# KiCad board K9HZ_100W_11band_LPF-Control.kicad_pcb
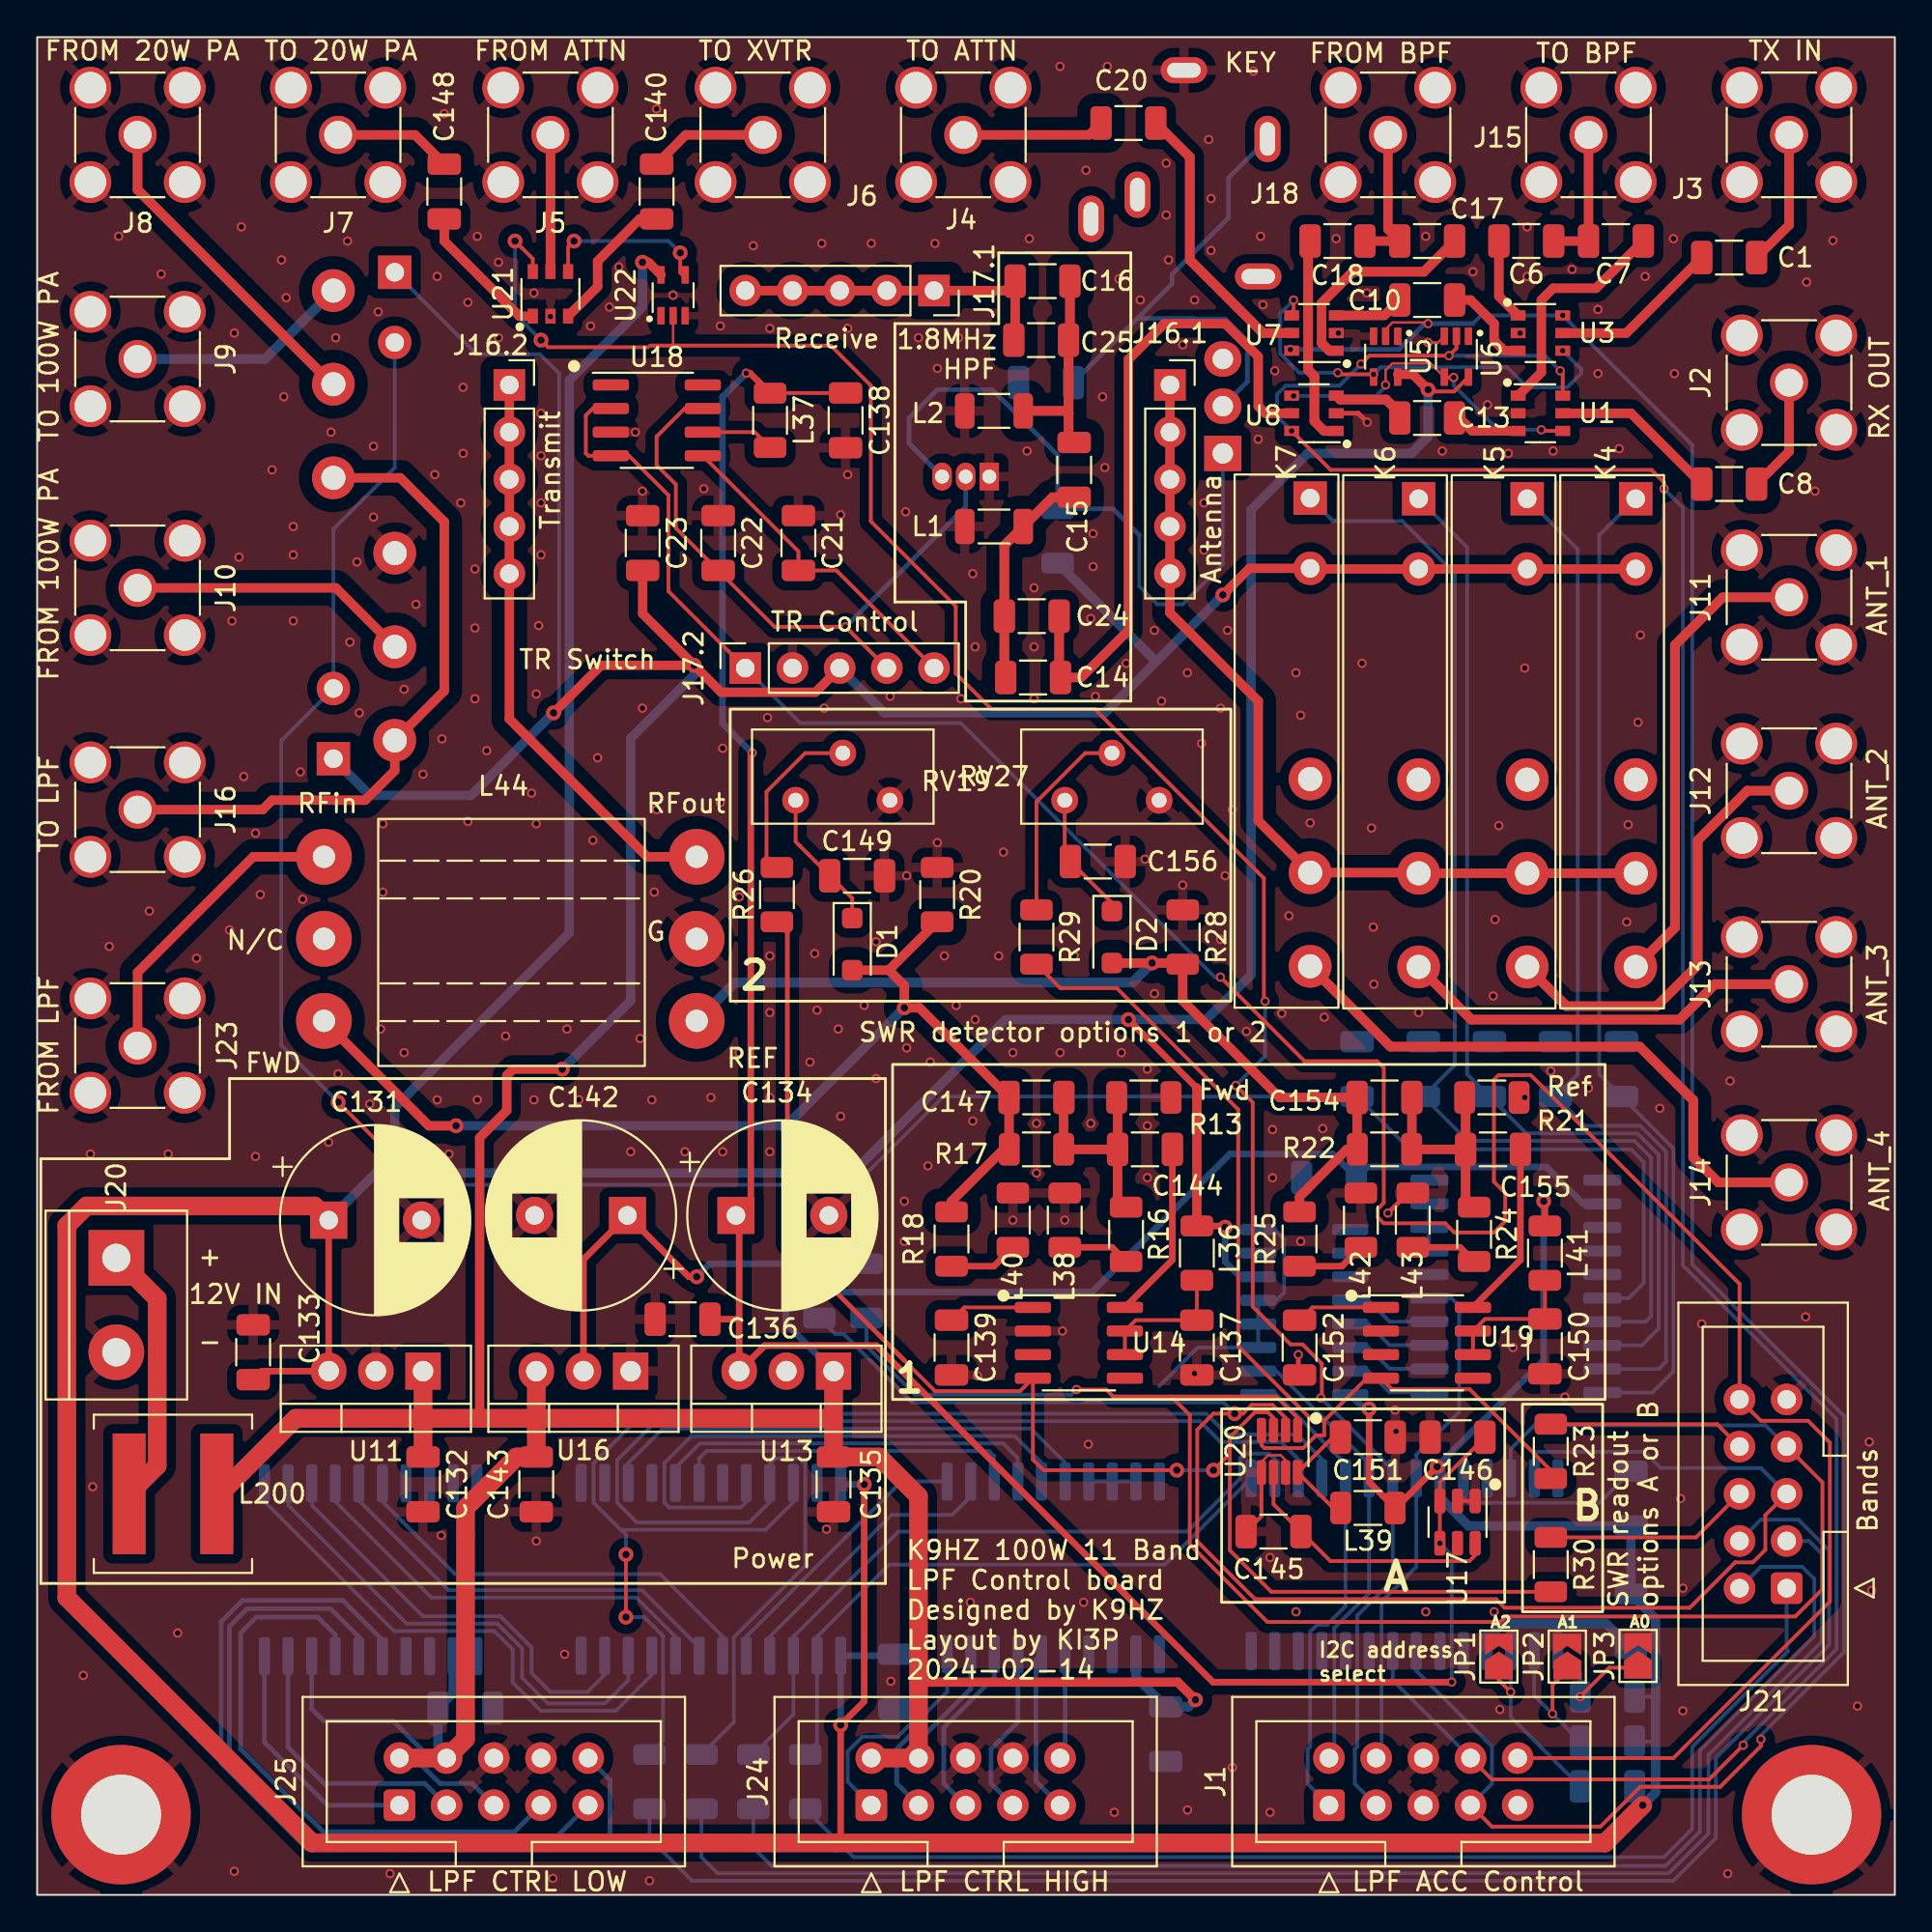
[diagram p0: board, top side]
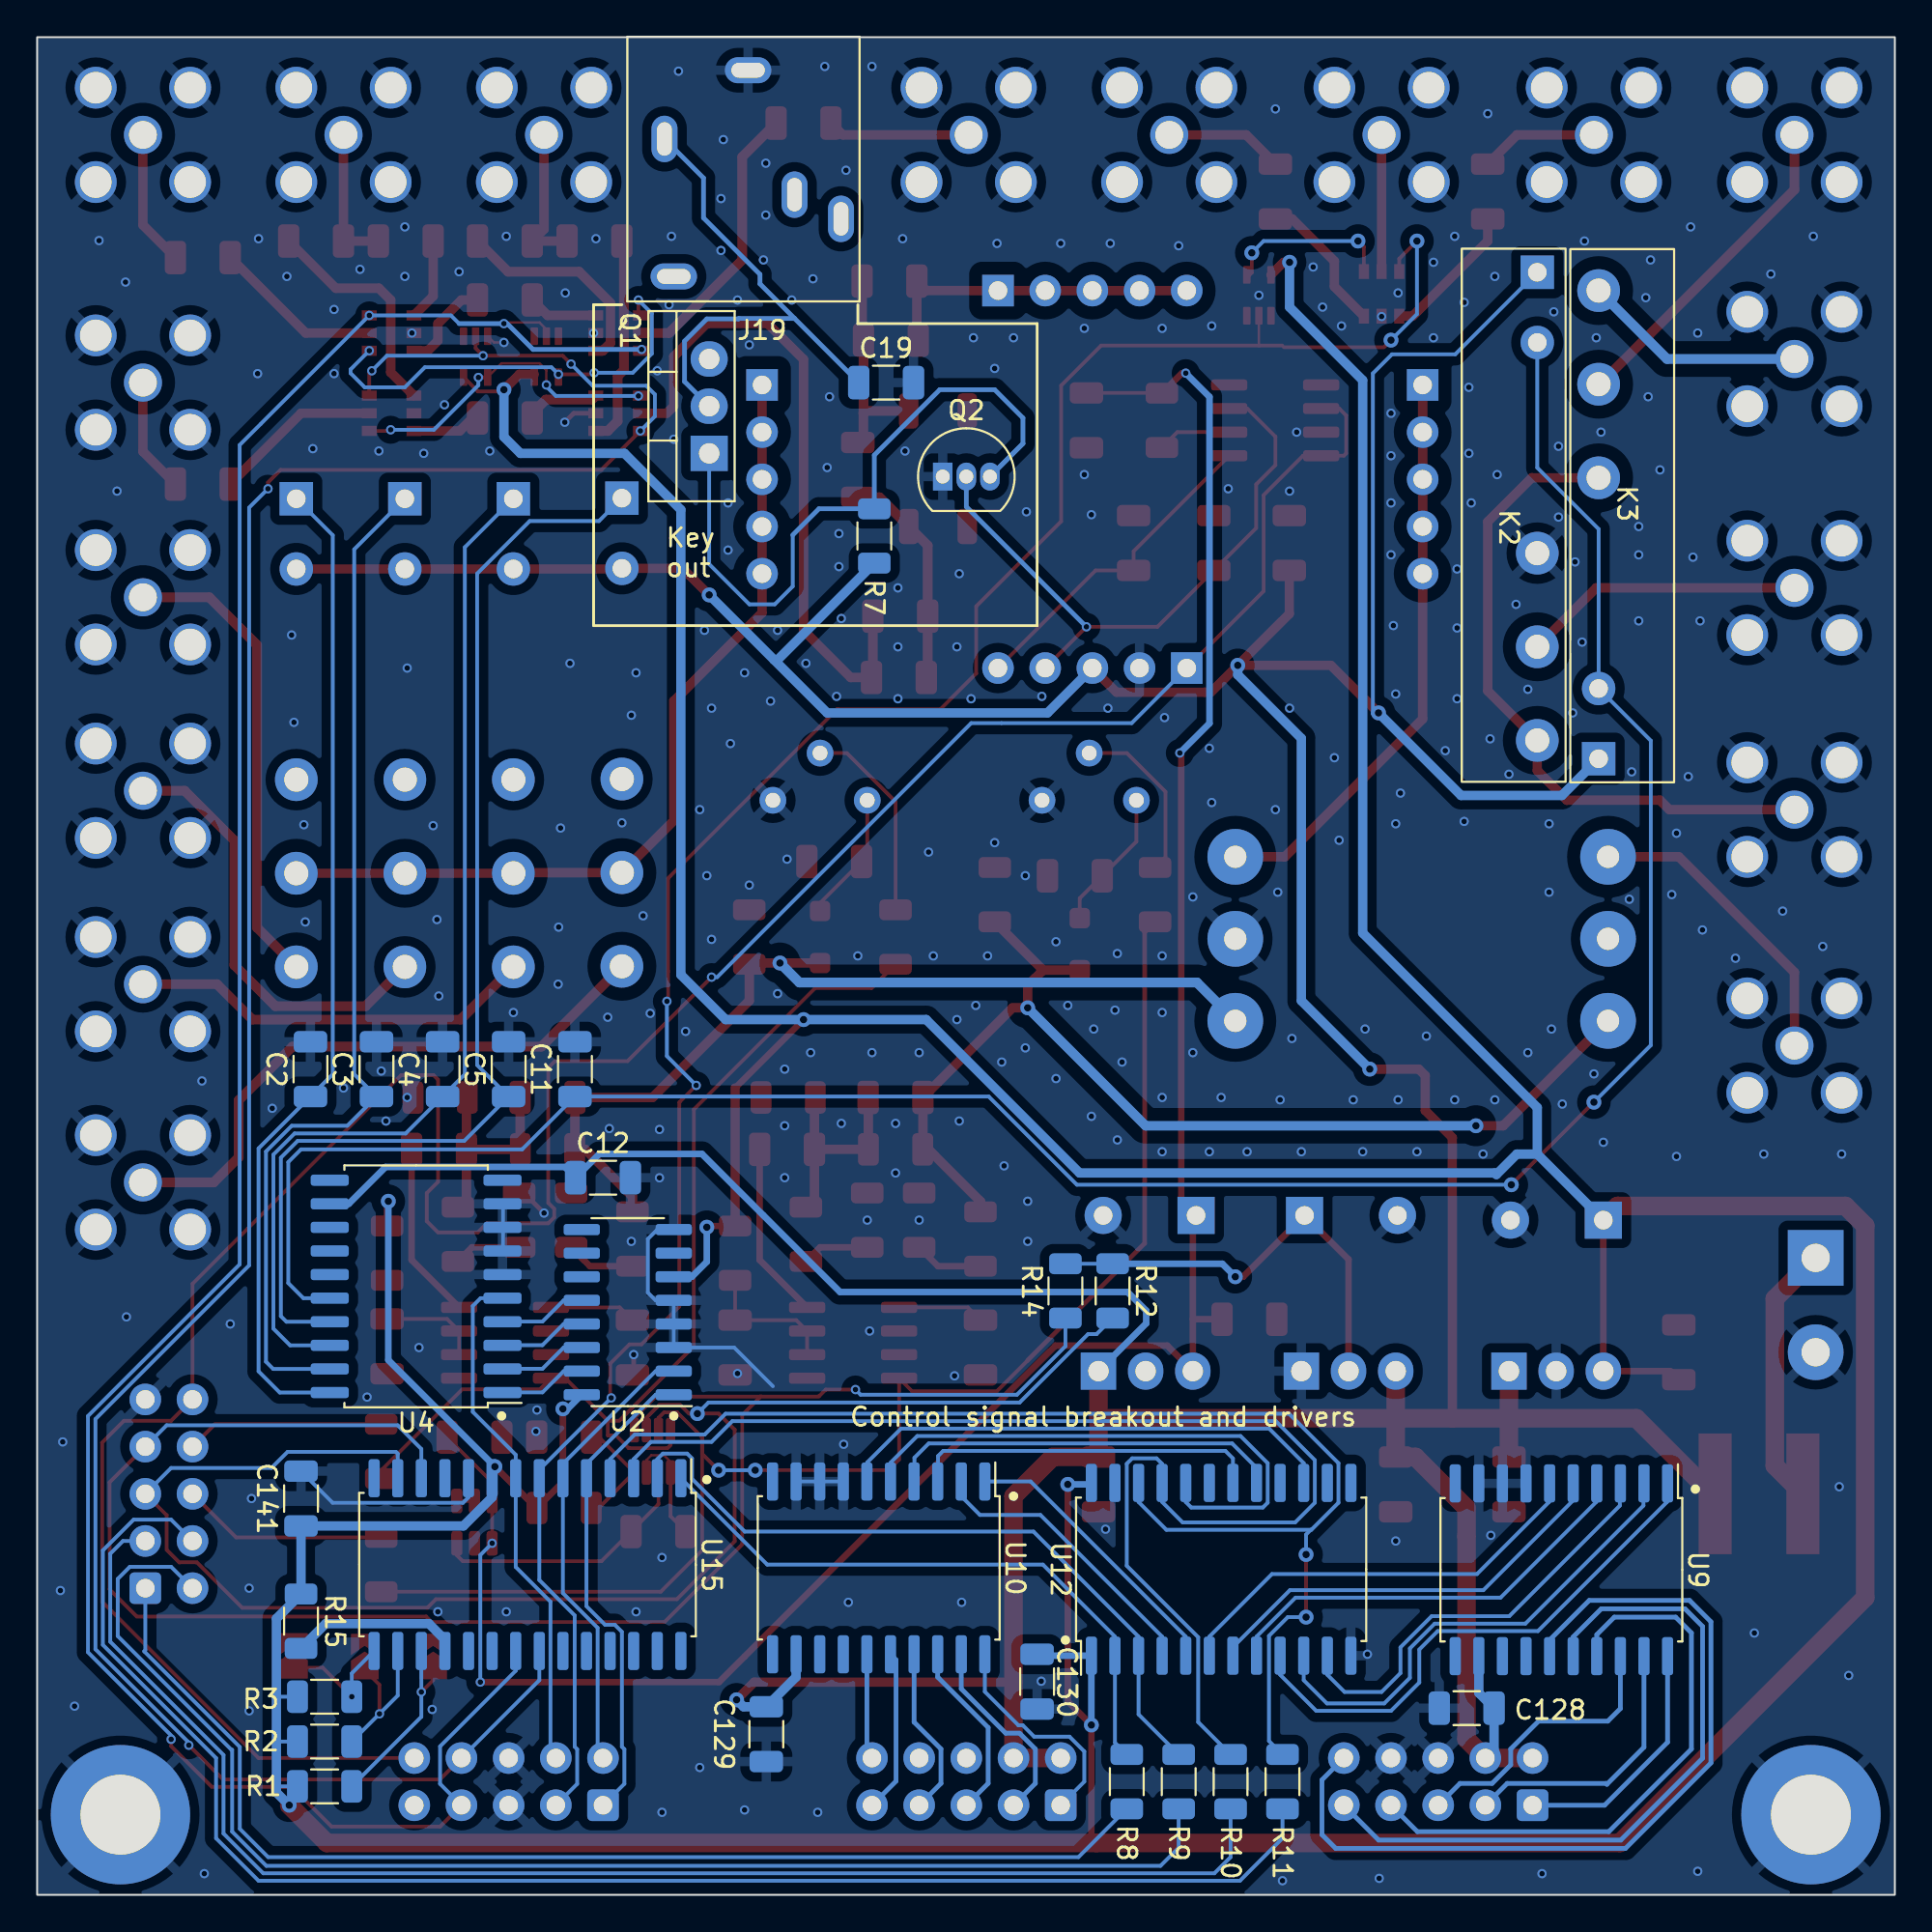
[diagram p1: board, bottom side, seen from below]

Outline 100 x 100 mm; copper layers: Top, In1.Cu, In2.Cu, Bottom. Coordinates in mm from the lower left corner of the outline.
Outline path: rectangle 0,100 100,0
Stack: Top 0.035mm / dielectric 0.2104mm FR4 er 4.5 / In1.Cu 0.035mm / dielectric 1.065mm FR4 er 4.5 / In2.Cu 0.035mm / dielectric 0.2104mm FR4 er 4.5 / Bottom 0.035mm

## Placement (name value [footprint] x y rotation side)
C1  0.1uF 50V  [C_1206_3216Metric]  91.08 88.14 0 top
C2  0.1uF 50V  [C_1206_3216Metric]  85.29 44.45 90 bottom
C3  0.1uF 50V  [C_1206_3216Metric]  81.73 44.45 90 bottom
C4  0.1uF 50V  [C_1206_3216Metric]  78.18 44.45 90 bottom
C5  0.1uF 50V  [C_1206_3216Metric]  74.62 44.45 90 bottom
C6  0.1uF 50V  [C_1206_3216Metric]  80.16 89.03 0 top
C7  0.1uF 50V  [C_1206_3216Metric]  84.99 89.03 0 top
C8  0.1uF 50V  [C_1206_3216Metric]  91.08 75.94 0 top
C10  0.1uF 50V  [C_1206_3216Metric]  74.82 85.85 0 top
C11  0.1uF 50V  [C_1206_3216Metric]  71.05 44.45 90 bottom
C12  0.1uF 50V  [C_1206_3216Metric]  69.54 38.61 180 bottom
C13  0.1uF 50V  [C_1206_3216Metric]  74.82 79.5 180 top
C14  1800pF 50V  [C_1206_3216Metric]  53.61 65.53 180 top
C15  1000pF 50V  [C_1206_3216Metric]  55.82 76.71 90 top
C16  1800pF 50V  [C_1206_3216Metric]  54.12 86.87 180 top
C17  0.1uF 50V  [C_1206_3216Metric]  74.82 89.03 180 top
C18  0.1uF 50V  [C_1206_3216Metric]  70 89.03 180 top
C19  15nF 50V  [C_1206_3216Metric]  54.3 81.41 180 bottom
C20  0.1uF 50V  [C_1206_3216Metric]  58.75 95.38 0 top
C21  0.1uF 50V  [C_1206_3216Metric]  40.98 72.77 270 top
C22  0.1uF 50V  [C_1206_3216Metric]  36.66 72.77 270 top
C23  0.1uF 50V  [C_1206_3216Metric]  32.59 72.77 270 top
C24  100pF 50V  [C_1206_3216Metric]  53.54 68.83 180 top
C25  100pF 50V  [C_1206_3216Metric]  54.05 83.69 180 top
C128  0.1uF 50V  [C_1206_3216Metric]  23.05 10.05 0 bottom
C129  0.1uF 50V  [C_1206_3216Metric]  60.75 8.65 270 bottom
C130  0.1uF 50V  [C_1206_3216Metric]  46.17 11.48 270 bottom
C131  220uF 16V  [CP_Radial_D10.0mm_P5.00mm]  15.69 36.32 0 top
C132  1uF 50V  [C_1206_3216Metric]  20.77 22.1 270 top
C133  1uF 50V  [C_1206_3216Metric]  11.63 29.21 90 top
C134  220uF 16V  [CP_Radial_D10.0mm_P5.00mm]  37.62 36.57 0 top
C135  1uF 50V  [C_1206_3216Metric]  42.87 22.1 270 top
C136  1uF 50V  [C_1206_3216Metric]  34.74 30.99 180 top
C137  0.1uF 50V  [C_1206_3216Metric]  62.43 29.46 270 top
C138  0.1uF 50V  [C_1206_3216Metric]  43.52 79.37 270 top
C139  0.1uF 50V  [C_1206_3216Metric]  49.22 29.46 270 top
C140  0.1uF 50V  [C_1206_3216Metric]  33.34 91.69 90 top
C141  0.1uF 50V  [C_1206_3216Metric]  85.8 21.33 90 bottom
C142  100uF 6V  [CP_Radial_D10.0mm_P5.00mm]  31.78 36.57 180 top
C143  10uF 50V  [C_1206_3216Metric]  26.87 22.1 270 top
C144  10nF 50V  [C_1206_3216Metric]  59.63 40.13 180 top
C145  10uF 50V  [C_1206_3216Metric]  66.55 19.56 180 top
C146  1uF 50V  [C_1206_3216Metric]  76.46 24.64 0 top
C147  10pF 50V  [C_1206_3216Metric]  53.79 42.92 180 top
C148  0.1uF 50V  [C_1206_3216Metric]  21.92 91.69 270 top
C149  10nF 50V  [C_1206_3216Metric]  44.14 54.86 0 top
C150  0.1uF 50V  [C_1206_3216Metric]  81.16 29.52 270 top
C151  0.1uF 50V  [C_1206_3216Metric]  71.63 24.64 0 top
C152  0.1uF 50V  [C_1206_3216Metric]  67.95 29.46 270 top
C154  10pF 50V  [C_1206_3216Metric]  72.53 42.92 180 top
C155  10nF 50V  [C_1206_3216Metric]  78.37 40.13 180 top
C156  10nF 50V  [C_1206_3216Metric]  57.09 55.62 0 top
D1  BAS70H,115  [D_SOD-123F]  43.88 51.18 270 top
D2  BAS70H,115  [D_SOD-123F]  57.86 51.56 270 top
H1  ~  [MountingHole_4.3mm_M4_DIN965_Pad]  95.52 4.32 0 top
H2  ~  [MountingHole_4.3mm_M4_DIN965_Pad]  4.52 4.32 0 top
J1  LPF ACC Control  [IDC-Header_2x05_P2.54mm_Vertical]  69.54 4.82 90 top
J2  TO_RECEIVER  [SMA_Amphenol_901-144_Vertical]  94.31 81.41 90 top
J3  FROM TX  [SMA_Amphenol_901-144_Vertical]  94.31 94.74 180 top
J4  TO ATTN  [SMA_Amphenol_901-144_Vertical]  49.86 94.74 180 top
J5  FROM ATTN  [SMA_Amphenol_901-144_Vertical]  27.63 94.74 180 top
J6  TO XVTR  [SMA_Amphenol_901-144_Vertical]  39.06 94.74 180 top
J7  TO 20W PA  [SMA_Amphenol_901-144_Vertical]  16.2 94.74 180 top
J8  FROM 20W PA  [SMA_Amphenol_901-144_Vertical]  5.41 94.74 180 top
J9  TO 100W PA  [SMA_Amphenol_901-144_Vertical]  5.41 82.67 270 top
J10  FROM 100W PA  [SMA_Amphenol_901-144_Vertical]  5.41 70.36 270 top
J11  ANT-1  [SMA_Amphenol_901-144_Vertical]  94.31 69.85 90 top
J12  ANT-2  [SMA_Amphenol_901-144_Vertical]  94.31 59.43 90 top
J13  ANT-3  [SMA_Amphenol_901-144_Vertical]  94.31 49.02 90 top
J14  ANT-4  [SMA_Amphenol_901-144_Vertical]  94.31 38.35 90 top
J15  TO BPF  [SMA_Amphenol_901-144_Vertical]  83.51 94.74 180 top
J16  TO LPF  [SMA_Amphenol_901-144_Vertical]  5.41 58.42 270 top
J16.1  ANTENNA  [PinSocket_1x05_P2.54mm_Vertical]  60.98 81.28 0 top
J16.2  TRANSMIT  [PinSocket_1x05_P2.54mm_Vertical]  25.42 81.28 0 top
J17.1  RECEIVE  [PinSocket_1x05_P2.54mm_Vertical]  48.28 86.36 270 top
J17.2  TR CTL  [PinSocket_1x05_P2.54mm_Vertical]  38.12 66.04 90 top
J18  FROM BPF  [SMA_Amphenol_901-144_Vertical]  72.72 94.74 180 top
J19  KEY OUT  [Jack_3.5mm_STX-3081_Horizontal]  61.73 98.22 0 bottom
J20  12-13.8V  [TerminalBlock_bornier-2_P5.08mm]  4.26 34.29 270 top
J21  Bands  [IDC-Header_2x05_P2.54mm_Vertical]  94.18 16.51 180 top
J23  FROM LPF  [SMA_Amphenol_901-144_Vertical]  5.41 45.72 270 top
J24  LPF CTRL HI  [IDC-Header_2x05_P2.54mm_Vertical]  44.9 4.82 90 top
J25  LPF CTRL LOW  [IDC-Header_2x05_P2.54mm_Vertical]  19.5 4.82 90 top
JP1  SolderJumper_2_Open  [SolderJumper-2_P1.3mm_Open_TrianglePad1.0x1.5mm]  78.68 12.82 90 top
JP2  SolderJumper_2_Open  [SolderJumper-2_P1.3mm_Open_TrianglePad1.0x1.5mm]  82.37 12.82 90 top
JP3  SolderJumper_2_Open  [SolderJumper-2_P1.3mm_Open_TrianglePad1.0x1.5mm]  86.18 12.86 90 top
K2  HF41F/12-ZS  [Relay_SPDT_HF41F12-ZS]  15.95 61.16 90 bottom
K3  HF41F/12-ZS  [Relay_SPDT_HF41F12-ZS]  19.25 87.34 270 bottom
K4  HF41F/12-ZS  [Relay_SPDT_HF41F12-ZS]  86.05 75.15 270 top
K5  HF41F/12-ZS  [Relay_SPDT_HF41F12-ZS]  80.21 75.15 270 top
K6  HF41F/12-ZS  [Relay_SPDT_HF41F12-ZS]  74.37 75.15 270 top
K7  HF41F/12-ZS  [Relay_SPDT_HF41F12-ZS]  68.52 75.19 270 top
L1  3.3uH  [L_1206_3216Metric]  51.51 73.66 180 top
L2  3.3uH  [L_1206_3216Metric]  51.51 79.88 180 top
L36  FB  [R_1206_3216Metric]  62.43 34.54 90 top
L37  FB  [R_1206_3216Metric]  39.45 79.37 270 top
L38  22nH  [R_1206_3216Metric]  55.32 36.32 90 top
L39  FB  [R_1206_3216Metric]  71.63 20.83 0 top
L40  22nH  [R_1206_3216Metric]  52.52 36.32 90 top
L41  FB  [R_1206_3216Metric]  81.16 34.54 90 top
L42  22nH  [R_1206_3216Metric]  71.26 36.32 90 top
L43  22nH  [R_1206_3216Metric]  74.05 36.32 90 top
L44  6_pin_transformer  [Toroid_6Pin_BinocularCore_13.3mm_14.35mm]  15.44 53.13 0 top
L200  10uH 20%  [L_Coilcraft_XAL7020-102]  7.31 21.59 0 top
Q1  IRF630  [TO-220-3_Vertical]  63.83 77.59 90 bottom
Q2  2N7000  [TO-92_Inline]  51.25 76.35 180 bottom
R1  2k2  [R_1206_3216Metric]  84.53 5.84 0 bottom
R2  2k2  [R_1206_3216Metric]  84.53 8.25 0 bottom
R3  2k2  [R_1206_3216Metric]  84.53 10.67 0 bottom
R7  10k  [R_1206_3216Metric]  54.94 73.15 90 bottom
R8  0  [R_1206_3216Metric]  41.35 6.09 270 bottom
R9  0  [R_1206_3216Metric]  38.55 6.09 270 bottom
R10  0  [R_1206_3216Metric]  35.76 6.09 270 bottom
R11  0  [R_1206_3216Metric]  32.96 6.09 270 bottom
R12  2k2  [R_1206_3216Metric]  42.11 32.51 90 bottom
R13  52R3  [R_1206_3216Metric]  59.57 42.92 180 top
R14  2k2  [R_1206_3216Metric]  44.65 32.51 90 bottom
R15  2k2  [R_1206_3216Metric]  85.8 14.73 270 bottom
R16  ~  [R_1206_3216Metric]  58.62 35.56 90 top
R17  ~  [R_1206_3216Metric]  53.79 40.13 0 top
R18  ~  [R_1206_3216Metric]  49.22 35.3 90 top
R20  52R3  [R_1206_3216Metric]  48.45 53.84 270 top
R21  52R3  [R_1206_3216Metric]  78.31 42.92 180 top
R22  ~  [R_1206_3216Metric]  72.53 40.13 0 top
R23  0  [R_1206_3216Metric]  81.48 23.87 270 top
R24  ~  [R_1206_3216Metric]  77.35 35.56 90 top
R25  ~  [R_1206_3216Metric]  67.95 35.3 90 top
R26  10k  [R_1206_3216Metric]  39.82 53.84 90 top
R28  52R3  [R_1206_3216Metric]  61.67 51.56 270 top
R29  10k  [R_1206_3216Metric]  53.79 51.56 270 top
R30  0  [R_1206_3216Metric]  81.48 17.78 270 top
RV19  22k  [Potentiometer_Bourns_3296Y_Vertical]  40.83 58.92 180 top
RV27  22k  [Potentiometer_Bourns_3296Y_Vertical]  55.32 58.92 180 top
U1  MASWSS0179  [MASWSS0179-SOT-26]  80.92 79.75 0 top
U2  74HC237  [SOIC-16_3.9x9.9mm_P1.27mm]  68.21 31.37 0 bottom
U3  MASWSS0179  [MASWSS0179-SOT-26]  80.92 84.07 0 top
U4  ULN2803C  [SOIC-20W_7.5x12.8mm_P1.27mm]  79.6 32.75 0 bottom
U5  SN74LVC1G04DCK  [SOT-SC70]  72.59 82.8 270 top
U6  SN74LVC1G04DCK  [SOT-SC70]  76.4 82.8 270 top
U7  MASWSS0179  [MASWSS0179-SOT-26]  68.73 84.07 180 top
U8  MASWSS0179  [MASWSS0179-SOT-26]  68.73 79.75 180 top
U9  ULN2803C  [SOIC-20W_7.5x12.8mm_P1.27mm]  17.95 17.5 270 bottom
U10  ULN2803C  [SOIC-20W_7.5x12.8mm_P1.27mm]  54.7 17.6 270 bottom
U11  LM7805CT  [TO-220-3_Vertical]  20.77 28.19 180 top
U12  CD74HC4514M96  [SOIC-24W_7.5x15.4mm_P1.27mm]  36.27 17.52 90 bottom
U13  L7808  [TO-220-3_Vertical]  42.87 28.19 180 top
U14  AD8307  [SOIC-8_3.9x4.9mm_P1.27mm]  56.08 29.72 0 top
U15  MCP23017_SO  [SOIC-28W_7.5x17.9mm_P1.27mm]  73.6 17.78 270 bottom
U16  LM1117T-3.3  [TO-220-3_Vertical]  31.95 28.19 180 top
U17  REF3440IDBVR  [SOT-23-6]  76.46 20.06 270 top
U18  TC4428  [SOIC-8_3.9x4.9mm_P1.27mm]  33.36 79.37 0 top
U19  AD8307  [SOIC-8_3.9x4.9mm_P1.27mm]  74.81 29.72 0 top
U20  AD7991YRJZ  [SOT-23-8]  66.88 23.87 270 top
U21  MASWSS0179  [MASWSS0179-SOT-26]  27.63 86.18 90 top
U22  SN74LVC1G04DCK  [SOT-SC70]  34.23 86.1 90 top

## Library data of the parts
C1-C8 C10-C13 C17 C18 C20-C23 C128-C130 C137-C141 C148 C150-C152 = -: Description: Unpolarized capacitor; Mouser Part Number: 581-12065F104K4
C14 C16 = -: Description: Unpolarized capacitor; Mouser Part Number: 77-VJ1206A182JXACBC
C15 C147 C154 = -: Description: Unpolarized capacitor; Mouser Part Number: 581-KGM31BCG1H102JT
C19 = -: Description: Unpolarized capacitor; Mouser Part Number: 77-VJ1206Y153JXAAC
C24 C25 = -: Description: Unpolarized capacitor; Mouser Part Number: 710-885012008043
C131 C134 = -: Description: Polarized capacitor; Mouser Part Number: 667-ECA-1EM221
C132 C133 C135 C136 C146 = -: Description: Unpolarized capacitor; Mouser Part Number: 187-CL31B105KBHNNNE
C142 = -: Description: Polarized capacitor; Mouser Part Number: 667-ECA-1EM101
C143 C145 = -: Description: Unpolarized capacitor; Mouser Part Number: 80-C1206C106K4P
C144 C149 C155 C156 = -: Description: Unpolarized capacitor; Mouser Part Number: 80-C1206C103K5R7210
D1 D2 = -: Description: Zener diode; Mouser Part Number: 771-BAS70H-T/R
H1 H2 = -: Description: Mounting Hole with connection
J1 J21 J24 J25 = -: Description: Generic connector, double row, 02x05, top/bottom pin numbering scheme (row 1: 1...pins_per_row, row2: pins_per_row+1 ... num_pins), script generated (kicad-library-utils/schlib/autogen/connector/); taydaelectronics.com: A-2939
J2-J16 J18 J23 = -: Description: coaxial connector (BNC, SMA, SMB, SMC, Cinch/RCA, LEMO, ...); Mouser Part Number: 712-CONSMA001-G
J16.1 = -: Description: Generic connector, single row, 01x05, script generated; taydaelectronics.com: A-196
J16.2 J17.1 J17.2 = -: Description: Generic connector, single row, 01x05, script generated
J19 = -: Description: Audio Jack, 3 Poles (Stereo / TRS), Switched TR Poles (Normalling); Mouser Part Number: 490-SJ1-3515N
J20 = -: Description: Generic screw terminal, single row, 01x02, script generated (kicad-library-utils/schlib/autogen/connector/); taydaelectronics.com: A-662
JP1-JP3 = -: Description: Solder Jumper, 2-pole, open
K2-K7 = -: Description: Monostable Relay SPDT, EN50005
L1 L2 = -: Description: Inductor; Mouser Part Number: 70-ILSB1206ER3R3K
L36 L37 L39 L41 = -: Description: Inductor; Mouser Part Number: 81-LQM31PN1R5M00L
L38 L40 L42 L43 = -: Description: Inductor
L200 = -: Description: Inductor; Mouser Part Number: 81-1264EY-100MP3
Q1 = -: Description: 150A Id, 40V Vds, 3.4mOhm Rds, N-Channel MOSFET, DirectFET MT; Mouser Part Number: 942-IRF630NPBF
Q2 = -: Description: 0.2A Id, 200V Vds, N-Channel MOSFET, 2.6V Logic Level, TO-92; Mouser Part Number: 512-2N7000D26Z
R1-R3 R12 R14 R15 = -: Description: Resistor; Mouser Part Number: 71-CRCW12062K20JNEAC
R7 R26 R29 = -: Description: Resistor; Mouser Part Number: 652-CR1206JW-103ELF
R8-R11 R23 R30 = -: Description: Resistor; Mouser Part Number: 667-ERJ-8GEY0R00V
R13 R20 R21 R28 = -: Description: Resistor; Mouser Part Number: 71-CRCW120649R9FKEAC
R16 R18 R24 R25 = -: Description: Resistor; Mouser Part Number: 755-SFR18EZPF56R0
R17 R22 = -: Description: Resistor; Mouser Part Number: 71-RCS1206499RFKEA
RV19 RV27 = -: Description: Potentiometer; Mouser Part Number: 652-3296Y-1-223LF
U1 U3 U7 U8 U21 = -: Description: Macom GaAs RF SPDT switch, DC-2GHz, 0.6/22dB loss/isolation, SOT-26 (SOT-23-6); Mouser Part Number: 937-MASWSS0179-T
U2 = -: Description: 3-to-8 line decoder/multiplexer with address latches, DIP-16/SOIC-16/SSOP-16; Mouser Part Number: 595-CD74HC237NSR
U4 U9 U10 = -: Description: Darlington Transistor Arrays, SOIC18/DIP18
U5 U6 U22 = -: Description: Single NOT Gate, Low-Voltage CMOS; Mouser Part Number: 595-SN74LVC1G04DCKR
U11 = -: Description: Positive 1A 35V Linear Regulator, Fixed Output 5V, TO-220; Mouser Part Number: 926-LM7805CT
U12 = -: Description: High-Speed CMOS Logic 16-Channel Analog Multiplexer/Demultiplexer, SOIC-24; Mouser Part Number: 595-CD74HC4514M96
U13 = -: Description: Positive 1.5A 35V Linear Regulator, Fixed Output 8V, TO-220/TO-263/TO-252; Mouser Part Number: 511-L7808ACV-DG
U14 U19 = -: Description: DC to 500 MHz, 95 dB Logarithmic Amplifier, SOIC-8; Mouser Part Number: 584-AD8307ARZ-R7
U15 = -: Description: 16-bit I/O expander, I2C, interrupts, w pull-ups, SOIC-28; Mouser Part Number: 579-MCP23017-E/SO
U16 = -: Description: 800mA Low-Dropout Linear Regulator, 3.3V fixed output, TO-220; Mouser Part Number: 926-LM1117T-3.3/NOPB
U17 = -: Description: Voltage Reference, SOT-23-6; Mouser Part Number: 595-REF3440IDBVR
U18 = -: Description: 1.5A Dual High-Speed Power MOSFET Drivers; Mouser Part Number: 579-TC4428ACOA713
U20 = -: Description: I2C-Compatible, 4-input, 12-Bit Analog-to-Digital Converter, SOT-23; Mouser Part Number: 584-AD7991YRJZ0500R7

## Footprints (pads in the part's own frame, mm; a bottom-side part is the same pattern mirrored in y, then rotated)
C_1206_3216Metric
  rrect 1.15x1.8 smd: 1(-1.475,0) 2(1.475,0)
CP_Radial_D10.0mm_P5.00mm
  rect 2x2 hole 1: 1(0,0)
  round 2 hole 1: 2(5,0)
D_SOD-123F
  rrect 1.1x1.1 smd: 1(-1.4,0) 2(1.4,0)
IDC-Header_2x05_P2.54mm_Vertical
  rrect 1.7x1.7 hole 1: 1(0,0)
  round 1.7 hole 1: 2(2.54,0) 3(0,-2.54) 4(2.54,-2.54) 5(0,-5.08) 6(2.54,-5.08) 7(0,-7.62) 8(2.54,-7.62) 9(0,-10.16) 10(2.54,-10.16)
Jack_3.5mm_STX-3081_Horizontal
  oval 1.4x2.5 hole 0.8x1.8: R(-5,8) RN(-2.5,6.7) T(4.5,3.7)
  oval 2.5x1.4 hole 1.8x0.8: S(0,0) TN(4,11.1)
L_1206_3216Metric
  rrect 1.05x1.9 smd: 1(-1.575,0) 2(1.575,0)
L_Coilcraft_XAL7020-102
  rect 1.78x6.5 smd: 1(-2.36,0) 2(2.36,0)
MASWSS0179-SOT-26
  rect 0.8x0.55 smd: 1(-1.2,0.95) 2(-1.2,0) 3(-1.2,-0.95) 4(1.2,-0.95) 5(1.2,0) 6(1.2,0.95)
MountingHole_4.3mm_M4_DIN965_Pad
  round 7.5 hole 4.3: 1(0,0)
PinSocket_1x05_P2.54mm_Vertical
  rect 1.7x1.7 hole 1: 1(0,0)
  oval 1.7x1.7 hole 1: 2(0,-2.54) 3(0,-5.08) 4(0,-7.62) 5(0,-10.16)
Potentiometer_Bourns_3296Y_Vertical
  round 1.44 hole 0.8: 1(0,0) 2(-2.54,-2.54) 3(-5.08,0)
R_1206_3216Metric
  rrect 1.125x1.75 smd: 1(-1.462,0) 2(1.462,0)
Relay_SPDT_HF41F12-ZS
  round 2.3 hole 1.3: 11(20.16,0) 12(15.12,0) 14(25.2,0)
  rect 1.8x1.8 hole 1: A1(0,0)
  round 1.8 hole 1: A2(3.78,0)
SMA_Amphenol_901-144_Vertical
  round 2.05 hole 1.5: 1(0,0)
  round 2.25 hole 1.7: 2(-2.54,2.54) 2(-2.54,-2.54) 2(2.54,2.54) 2(2.54,-2.54)
SOIC-8_3.9x4.9mm_P1.27mm
  rrect 1.95x0.6 smd: 1(-2.475,1.905) 2(-2.475,0.635) 3(-2.475,-0.635) 4(-2.475,-1.905) 5(2.475,-1.905) 6(2.475,-0.635) 7(2.475,0.635) 8(2.475,1.905)
SOIC-16_3.9x9.9mm_P1.27mm
  rrect 1.95x0.6 smd: 1(-2.475,4.445) 2(-2.475,3.175) 3(-2.475,1.905) 4(-2.475,0.635) 5(-2.475,-0.635) 6(-2.475,-1.905) 7(-2.475,-3.175) 8(-2.475,-4.445) 9(2.475,-4.445) 10(2.475,-3.175) 11(2.475,-1.905) 12(2.475,-0.635) 13(2.475,0.635) 14(2.475,1.905) 15(2.475,3.175) 16(2.475,4.445)
SOIC-20W_7.5x12.8mm_P1.27mm
  rrect 2.05x0.6 smd: 1(-4.65,5.715) 2(-4.65,4.445) 3(-4.65,3.175) 4(-4.65,1.905) 5(-4.65,0.635) 6(-4.65,-0.635) 7(-4.65,-1.905) 8(-4.65,-3.175) 9(-4.65,-4.445) 10(-4.65,-5.715) 11(4.65,-5.715) 12(4.65,-4.445) 13(4.65,-3.175) 14(4.65,-1.905) 15(4.65,-0.635) 16(4.65,0.635) 17(4.65,1.905) 18(4.65,3.175) 19(4.65,4.445) 20(4.65,5.715)
SOIC-24W_7.5x15.4mm_P1.27mm
  rrect 2.05x0.6 smd: 1(-4.65,6.985) 2(-4.65,5.715) 3(-4.65,4.445) 4(-4.65,3.175) 5(-4.65,1.905) 6(-4.65,0.635) 7(-4.65,-0.635) 8(-4.65,-1.905) 9(-4.65,-3.175) 10(-4.65,-4.445) 11(-4.65,-5.715) 12(-4.65,-6.985) 13(4.65,-6.985) 14(4.65,-5.715) 15(4.65,-4.445) 16(4.65,-3.175) 17(4.65,-1.905) 18(4.65,-0.635) 19(4.65,0.635) 20(4.65,1.905) 21(4.65,3.175) 22(4.65,4.445) 23(4.65,5.715) 24(4.65,6.985)
SOIC-28W_7.5x17.9mm_P1.27mm
  rrect 2.05x0.6 smd: 1(-4.65,8.255) 2(-4.65,6.985) 3(-4.65,5.715) 4(-4.65,4.445) 5(-4.65,3.175) 6(-4.65,1.905) 7(-4.65,0.635) 8(-4.65,-0.635) 9(-4.65,-1.905) 10(-4.65,-3.175) 11(-4.65,-4.445) 12(-4.65,-5.715) 13(-4.65,-6.985) 14(-4.65,-8.255) 15(4.65,-8.255) 16(4.65,-6.985) 17(4.65,-5.715) 18(4.65,-4.445) 19(4.65,-3.175) 20(4.65,-1.905) 21(4.65,-0.635) 22(4.65,0.635) 23(4.65,1.905) 24(4.65,3.175) 25(4.65,4.445) 26(4.65,5.715) 27(4.65,6.985) 28(4.65,8.255)